# KiCad board 32X_VA2.kicad_pcb (continued)
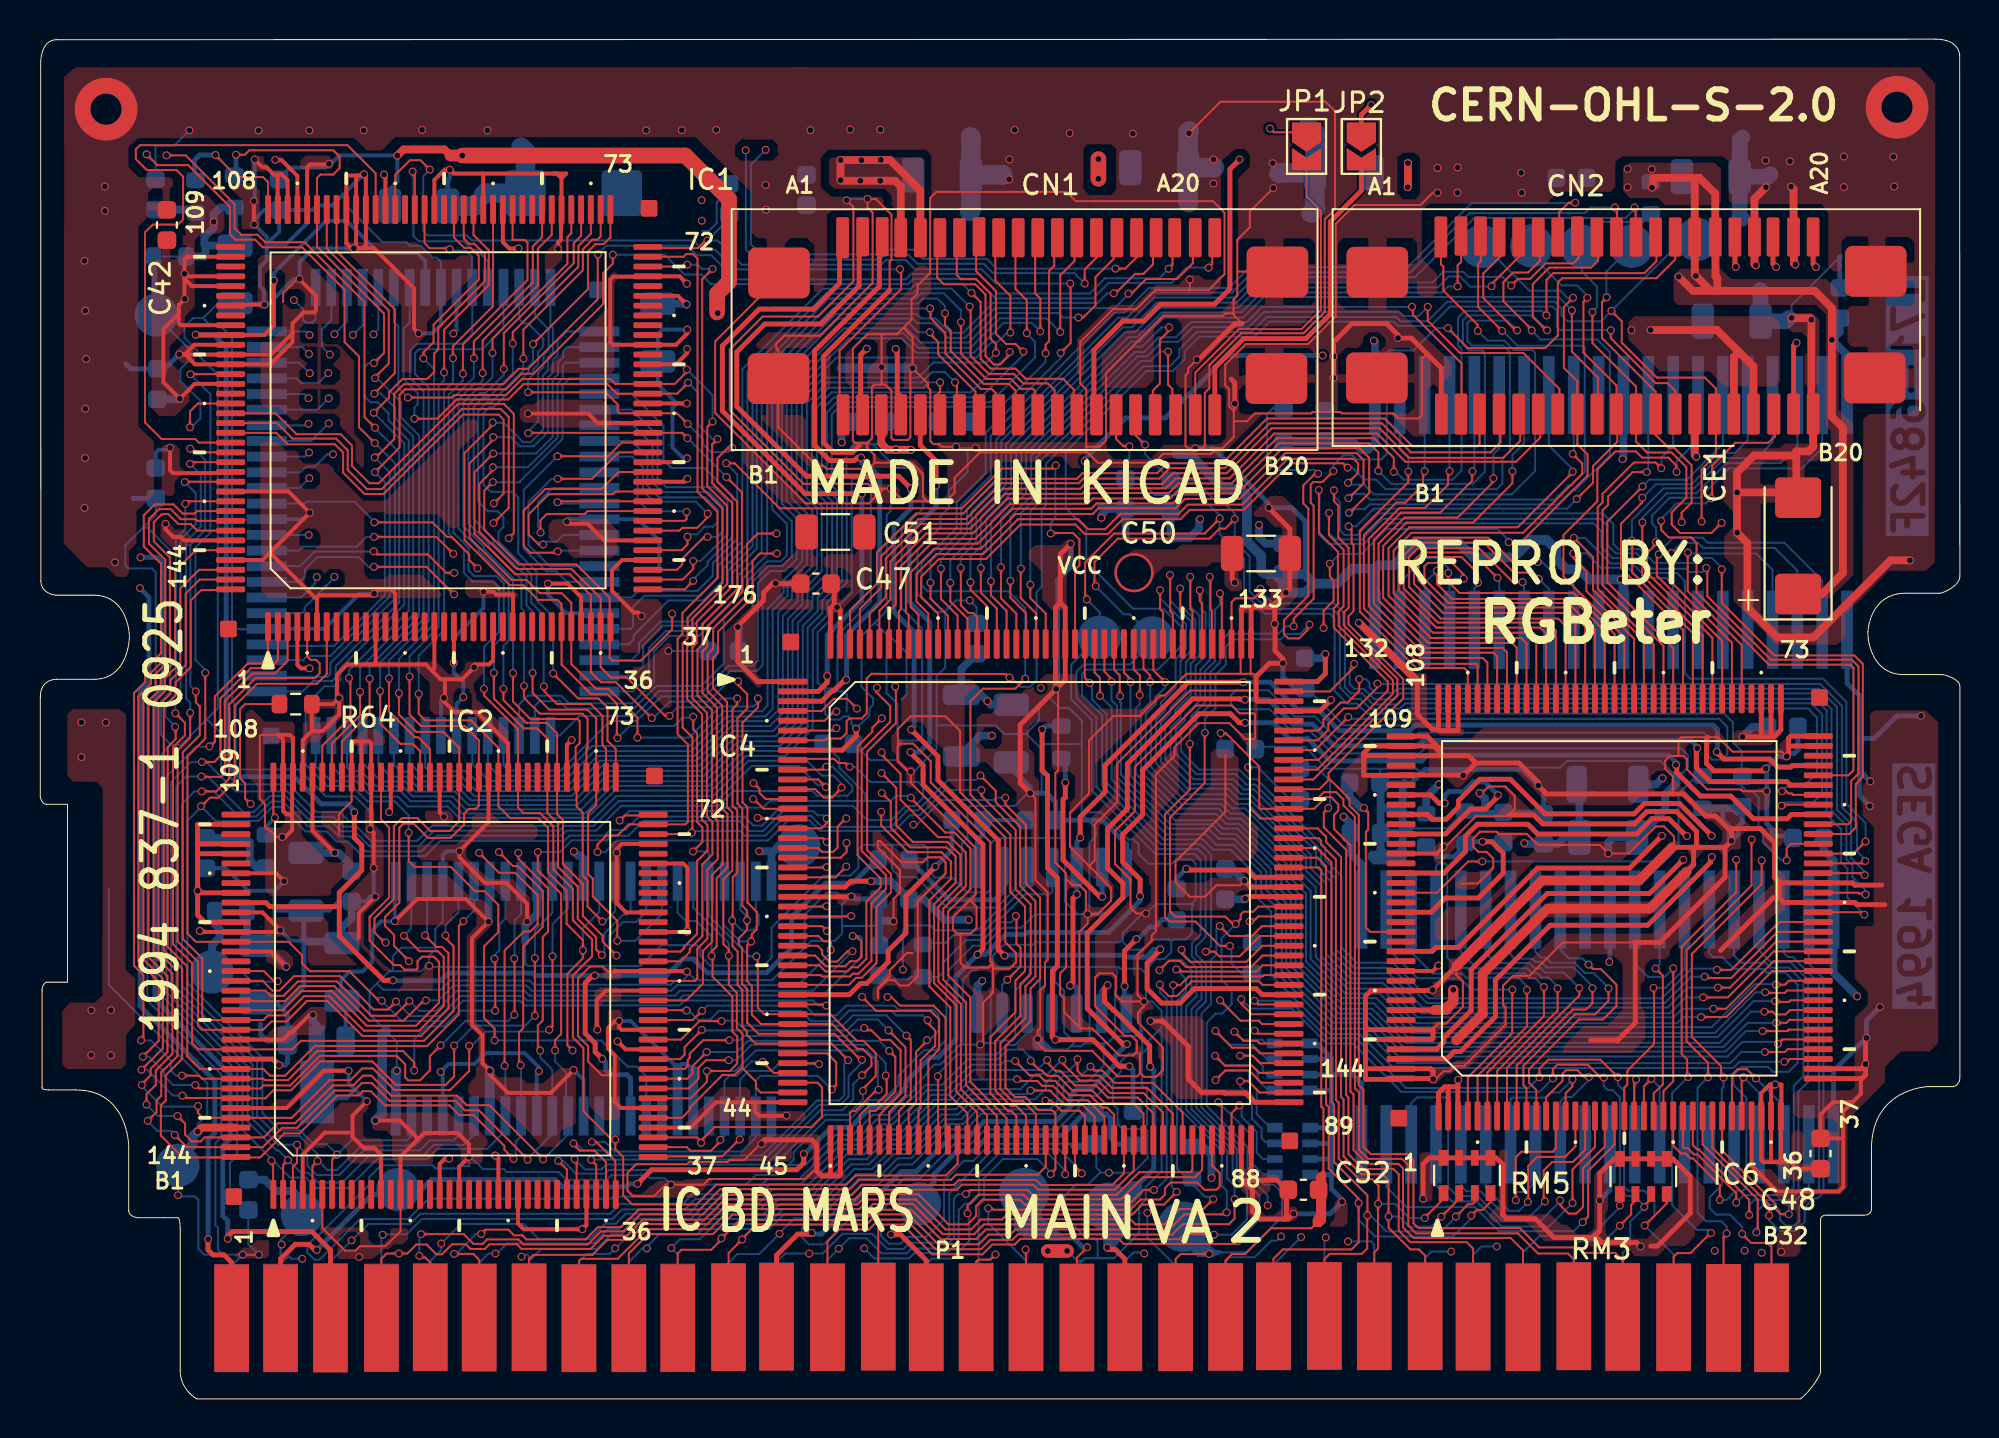
[diagram p0: board, top side]
## Copper pours and planes (outline as drawn; the poured copper is in the pictures) (continued)
GND on Top: 30.35,10.48 30.83,10.48 31.31,10.95 31.42,10.95 31.65,11.16 32.95,11.16 33.03,11.22 33.53,11.22 33.57,11.24 34.49,11.24 34.48,11.23 34,10.75 33.57,10.28 30.3,10.28 30.07,10.54 30.07,10.76
GND on Top: 19.82,30.07 19.72,29.96 19.72,29.67 20.12,29.29 20.87,29.29 21.18,29.62 21.18,29.79 20.95,30.06 20.94,30.07
GND on Top: 51.67,17.79 51.36,18.05 51.36,20.72 51.41,20.79 51.41,21.26 50.98,20.82 50.98,19.14 49.96,18.13 49.96,17.95 50.06,17.82 50.84,17.82 50.87,17.79
GND on Top: 71.29,28.2 71.56,28.48 72.21,28.48 72.43,28.7 72.43,28.69 72.43,28.21 71.64,27.38 71.42,27.38 71.29,27.49
GND on Top: 11.14,55.83 11.25,55.73 11.61,55.73 11.7,55.8 11.69,56.58 11.54,56.72 11.54,57.51 11.8,57.74 12.29,57.74 12.57,57.51 12.57,56.73 13.31,56.73 13.59,56.48 13.59,55.96 13.36,55.72 12.84,55.71 12.59,55.95 12.44,55.95 12.44,54.68 11.74,54.01 11.44,54.01 11.32,53.92 11.32,50.89 11.5,50.71 12.23,50.71 12.95,50.01 13.18,50.01 13.54,50.34 13.54,50.58 13.29,50.82 13.29,51.39 13.53,51.61 15.09,51.61 15.37,51.38 15.37,50.83 15.11,50.58 14.38,50.58 14.38,51.63 14.23,51.63 14.24,50.58 13.53,50.58 13.53,50.36 15.11,50.36 15.37,50.13 15.37,49.73 16.17,48.93 16.17,47.96 16.48,47.58 16.5,47.58 16.6,47.69 16.6,48.81 16.1,49.34 16.1,53.02 15.32,53.9 15.3,53.68 15.38,53.61 15.38,53.27 15.05,52.92 14.51,52.92 14.51,52.85 15.02,52.85 15.38,52.53 15.38,52.12 15.08,51.84 14.49,51.84 14.4,51.91 14.4,53.8 14.22,53.79 14.22,51.88 13.58,51.88 13.31,52.11 13.31,52.55 13.7,52.88 14.19,52.88 14.19,52.96 13.65,52.96 13.31,53.26 13.31,53.78 15.17,53.78 15.31,53.67 15.31,53.91 14.65,53.91 14.45,54.08 14.45,54.95 14.24,54.95 14.24,53.96 13.45,53.96 13.32,54.09 13.32,54.69 13.57,54.94 15.33,54.94 15.34,56.49 13.3,58.49 11.44,58.48 11.18,58.26 11.17,56.02 11.14,55.95
GND on Top: 22.27,29.86 23.18,29.86 23.71,29.39 25.22,29.39 25.48,29.19 25.49,28.8 25.29,28.57 22.18,28.57 21.84,28.26 21.84,27.69 22.97,26.58 24.2,26.58 24.62,26.13 25.11,25.61 25.11,24.4 24.98,24.24 24.1,24.24 23.87,24.47 23.87,25.41 23.11,26.21 22.45,26.21 21.26,27.41 21.16,27.51 19.54,27.52 19.32,27.74 19.32,28.14 19.52,28.33 21.31,28.33 22.11,29.19 22.11,29.71
GND on Top: 88.8,39.55 88.56,39.55 87.99,40.18 87.99,45.68 88.12,45.81 88.8,45.81 88.8,46.73 88.09,46.73 87.97,46.83 87.97,47.65 88.21,47.92 89.29,47.92 89.35,47.87 89.35,46.73 90.24,46.73 90.24,47.84 90.3,47.92 90.87,47.92 91.15,48.2 91.15,48.71 91.05,48.83 89.21,48.83 88.98,48.62 88.95,48.59 86.93,48.59 86.08,47.74 86.08,45.86 86.6,45.33 86.6,44.59 86.12,44.06 86.12,43.04 86.59,42.57 86.59,40.81 88.8,38.55
GND on Top: 1.44,34.98 1.7,35.25 4.1,35.25 4.44,34.99 4.42,21.92 4.91,21.5 4.91,19.12 4.45,18.62 4.43,17.12 4.21,16.86 1.41,16.86 1.18,17.09 1.18,19.79 1.56,20.26 2.85,20.26 3.23,20.63 3.25,31.19 2.94,31.54 1.74,31.55 1.44,31.85
GND on Top: 48.34,16.46 48.34,18.56 49.61,19.84 49.61,20.53 49.34,20.82 49.13,20.82 48.87,21.09 48.87,21.62 49.12,21.87 49.62,21.88 49.93,22.19 49.93,22.33 49.67,22.08 49.13,22.08 48.63,22.59 48.62,22.59 48.62,22.32 48.47,22.15 47.66,22.15 47.4,22.4 47.4,23.57 47.7,23.86 46.96,23.86 46.72,24.13 46.7,24.13 46.7,23.96 46.75,23.91 46.75,21.75 47.89,20.61 47.96,20.82 47.56,21.21 47.56,21.74 47.69,21.87 48.48,21.87 48.65,21.73 48.65,21.08 48.41,20.84 47.93,20.84 47.89,20.65 47.89,16.57 48.11,16.32 48.28,16.32
GND on Top: 64.63,58.01 70.28,58.01 70.42,58.14 70.42,59.11 70.67,59.11 70.67,58.28 71.44,57.51 71.44,56.54 71.23,56.33 70.66,56.33 70.42,56.53 70.42,57.06 70.36,57.11 64.64,57.11
GND on Top: 88.64,27.84 88.08,28.36 88.08,28.86 87.77,29.13 87.77,29.18 89.05,29.18 89.24,29.01 89.24,28.52 88.72,28.02 88.72,27.84
GND on Top: 28.11,17.23 28.11,14.97 28.65,14.42 28.83,14.24 29.51,14.24 29.7,14.43 29.69,15.8 29.68,17.33 29.4,17.6 29.34,17.6 29.34,16.96 29.19,16.82 28.48,16.82
GND on Top: 11.1,59.78 11.29,59.97 11.28,61.77 10.9,62.15 9.69,62.15 9.69,61.97 10.34,61.32 10.33,59.9 10.42,59.78
GND on Top: 15.59,59.12 15.59,58.77 18.51,55.89 18.51,52.47 19.07,52.47 19.07,53.65 19.83,54.43 19.83,55.05 22.14,57.39 22.14,58.33 22.03,58.45 21.49,58.45 21.25,58.23 20.18,58.23 19.29,59.11
GND on Top: 52.36,40.3 52.52,40.45 52.52,42.56 52.89,43 52.89,43.75 52.78,43.91 52.5,43.91 52.25,43.64 50.91,43.64 50.57,43.33 50.57,42.95 51.26,42.27 51.26,40.86 51.75,40.34 51.79,40.3
GND on Top: 26.52,59.25 25.85,58.58 25.85,57.58 25.89,57.53 26.02,57.53 26.73,58.22 26.73,59.25
GND on Top: 10.11,7.44 10.44,7.73 10.69,7.73 11.15,8.11 11.7,8.11 11.75,8.04 11.75,7.33 11.62,7.19 10.16,7.19 10.06,7.27 10.06,7.4
GND on Top: 61.35,33.84 61.94,33.19 62.17,33.19 62.29,33.31 62.29,36.9 62.57,37.19 62.45,37.31 62.22,37.09 61.69,37.09 62.07,36.79 62.07,34.09 61.99,34.03 61.38,34.03 61.35,34
GND on Top: 43.86,25.75 43.86,24.01 43.29,23.34 43.17,23.34 43.08,23.44 43.08,25
GND on Top: 63.55,43.98 63.55,44.44 63.44,44.55 63.17,44.55 62.62,45.08 62.16,45.08 62.06,45.2 62.06,45.29 62.91,46.15 63.56,46.15 64.26,45.48 64.26,43.98
GND on Top: 66.4,10.23 66.62,10.23 66.88,9.98 66.88,9.01 66.67,8.8 66,8.8 65.97,8.84 65.97,8.96 66.21,9.2 66.21,10.03
GND on Top: 16.87,30.26 16.66,30.08 16.66,28.73 16.92,28.47 16.92,26.97 15.78,25.76 15.78,23.8 17.64,21.88 17.83,21.88 17.9,21.82 18.27,21.82 18.59,21.52 18.59,21.16 18.34,20.89 17.59,20.89 14.79,23.62 14.79,24.35 14.54,24.63 11.52,24.63 11.52,23.74 11.63,23.63 13.19,23.63 13.72,23.11 13.71,22.39 13.96,22.15 16.3,22.15 17.67,20.8 18.43,20.8 18.49,20.86 20.01,20.86 20.14,20.98 20.14,22.21 20.06,22.33 19.79,22.33 19.69,22.21 19.69,21.87 19.44,21.59 18.6,21.59 18.28,21.89 18.02,21.89 17.76,22.14 17.68,22.14 16.6,23.23 16.6,24.8 17.61,25.75 17.61,28.88 17.14,29.37 17.14,30.16 17.04,30.26
GND on Top: 44.07,34.45 44.07,35.78 44.35,36.06 44.35,36.52 44.6,36.78 47.66,36.78 47.86,36.65 47.86,36.4 47.3,35.85 47.3,30.79 46.35,31.72 46.35,33.05 45.37,34.03 45.37,34.27 45.1,34.59 44.25,34.59 44.08,34.44
GND on Top: 88.77,27.16 89.23,26.73 89.23,25.04 89,24.79 88.71,24.79 86.43,22.49 85.27,22.49 85.07,22.67 85.07,22.81 88.62,26.34 88.62,27.16
GND on Top: 71.05,16.95 72.05,16.95 72.41,17.3 72.79,17.3 74.83,19.3 74.83,20.31 75.02,20.13 75.02,18.94 72.98,16.86 72.43,16.86 72.16,16.6 71.92,16.6 71.39,16.11 71.12,16.11 70.95,16.26 70.95,16.41 71.03,16.48 71.03,16.93
GND on Top: 53.22,52.27 53.42,52.43 53.42,53.85 55.07,55.52 56.25,55.52 57.11,56.4 59.91,56.4 60.41,56.88 60.41,57.26 60.53,57.38 60.53,57.45 60.51,57.43 60.34,57.43 60.11,57.2 59.57,57.2 59.29,57.44 58.72,57.44 58.24,56.95 57.07,56.95 56.04,55.92 54.8,55.92 53.04,54.17 53.04,52.41 53.2,52.27
GND on Top: 37.01,50.29 36.89,50.2 36.89,50.1 39.4,47.59 40.24,47.59 39.19,48.58 39.19,50.03 38.95,50.29
GND on Top: 47.87,25.98 46.7,24.83 46.7,24.6 47.02,24.91 47.62,24.91 47.88,24.64
GND on Top: 72.74,21.42 72.68,21.37 72.04,21.37 71.73,21.1 71.73,20.59 71.69,20.54 71.29,20.54 71.01,20.77 71.01,20.98 71.21,21.15 71.21,21.25 71.34,21.36 71.66,21.36 72.04,21.74 72.04,22.37 72.2,22.52 72.7,22.52 72.74,22.49
GND on Top: 74.29,29.8 74.34,29.87 74.46,29.87 75.12,30.53 75.12,30.92 74.76,31.29 74.76,31.3 75.03,31.3 76.49,29.85 76.49,29.77 74.29,29.77
GND on Top: 29.4,52.58 29.41,57.02 29.56,57.26 29.56,57.49 29.46,57.58 29.32,57.58 29.09,57.36 29.09,55.8 26.1,52.82 26.1,52.44 29.26,52.44
GND on Top: 74.61,9.97 74.62,12.63 74.72,12.74 74.89,12.74 75.05,12.62 75.05,9.43
GND on Top: 71.15,33.76 71.39,33.53 72.96,33.53 73.81,34.32 85.62,34.32 86.17,33.77 86.17,33.6 86.02,33.5 85.48,33.5 85.37,33.4 85.2,33.4 85.1,33.5 84.36,33.5 84.17,33.35 84.17,32.9 84.21,32.83 84.21,32.7 84.19,32.7 84.06,32.83 83.35,32.83 83.13,32.62 83.13,32.1 82.7,32.1 82.38,31.85 82.38,31.3 82.66,31.01 82.66,30.88 81.95,30.88 81.39,30.34 77.17,30.34 75.43,32.12 73.51,32.13 72.63,31.24 72.42,31.24 71.82,31.82 71.03,31.82 71.03,33.76
GND on Top: 45.53,27.67 44.27,27.67 43.01,28.91 43.01,28.97 42.94,29.02 42.7,29.02 42.6,28.94 42.6,28.19 43.05,27.77 43.05,27.7 43.82,26.98 43.82,25.71 43.84,25.71 45.02,26.91 45.02,27.21 45.53,27.67
GND on Top: 4.57,63.99 5.07,64.44 16.1,64.44 16.75,63.81 17.51,63.81 18.2,64.49 33.54,64.49 36.4,61.68 39.94,61.68 39.94,65.71 39.76,65.71 37.5,63.29 35.83,63.29 35.57,63.57 35.57,64.06 39.38,67.77 39.37,68.06 1.85,68.06 1.28,67.58 1.28,64
GND on Top: 58.08,27.48 58.08,29.56 59.88,31.37 59.88,33 60.12,33.22 60.82,33.22 61.31,32.75 61.31,30.16 62.29,29.2 62.29,27.98 61.84,27.5 58.13,27.5 58.1,27.48
GND on Top: 86.88,31.13 87.91,30.07 88.26,30.07 88.48,30.29 88.48,31.05 88.33,31.22 87.87,31.22 87.78,31.14 86.88,31.14
GND on Top: 89.45,33.95 88.96,33.47 88.96,33.26 88.6,33.08 89.08,32.63 89.37,32.63 89.53,32.8 89.53,33.95
GND on Top: 36.4,59.61 36.71,59.33 37.11,59.33 37.19,59.26 37.19,58.32 38.1,58.32 38.1,59.04 38.4,59.33 39.24,59.33 39.62,58.96 39.62,58.24 39.21,57.89 39.21,57.08 39.49,57.08 39.6,56.97 39.6,56.64 39.66,56.57 39.81,56.57 40.27,57.03 40.27,60.52 40.52,60.73 43.35,60.73 43.15,60.97 43.15,61.3 43,61.44 40.48,61.44 39.75,62.14 36.61,62.14 36.4,61.93
GND on Top: 4.59,42.19 4.44,42.01 3.96,42.01 3.45,42.51 2.46,42.51 1.26,43.72 1.27,49.61 1.28,67.58 4.57,67.57 4.57,62.95 5.09,62.45 6.66,62.45 6.82,62.33 6.85,62.3 6.85,61.98 6.68,61.87 6.68,61.17 6.32,61.17 6.32,61.8 6.26,61.87 5.81,61.87 5.57,61.64 5.57,61.2 5.67,61.13 6.17,61.13 6.17,60.73 5.56,60.73 5.52,60.69 5.52,60.36 5.15,60.01 5.08,59.94 5.08,49.7 5.87,48.93 5.87,46.23 5.03,45.41 4.97,45.35 4.97,43.72 4.59,43.34
GND on Top: 32.34,38.57 32.34,35.45 32.2,35.31 32.01,35.31 30.5,36.85 30.53,36.85 30.33,37.01 30.33,37.34 30.41,37.42 30.85,37.42 32.1,38.65 32.24,38.65
GND on Top: 61.42,40.16 61.27,40.28 61.27,40.49 61.41,40.62 62.53,40.62 62.93,41.03 62.93,41.47 62.7,41.66 62.7,41.91 62.79,41.98 63.49,41.98 63.57,42.08 63.57,42.58 64.33,42.58 64.33,41.05 63.86,40.53 63.76,40.53 63.31,40.09 63.31,38.86 63.72,38.46 64.96,38.46 65.08,38.35 65.08,37.42 64.84,37.17 62.62,37.17 62.41,37.38 62.41,40.09 62.28,40.28 62.04,40.28 61.88,40.16
GND on Top: 24.32,40.9 24.49,41.04 24.49,41.13 24.29,41.3 23.79,41.3 23.25,41.87 21.87,41.87 21.77,41.77 21.77,41.18 22,40.93 24.06,40.93 24.1,40.9
GND on Bottom: 40.97,8.75 42.44,10.24 43.22,10.24 43.53,10.59 43.53,9.18 43.17,8.71 43.17,8.22 42.64,8.75
GND on Bottom: 53.73,7.06 54.16,7.22 54.42,7.22 54.19,7.48 54.14,7.53 54.1,7.53 53.93,7.32 53.24,7.32 52.79,7.77 51.51,7.77 51.34,7.64 51.34,7.38 51.7,7 51.75,6.97 52.35,6.97 52.43,6.85 53.73,6.85
GND on Bottom: 47.16,27.73 46.23,26.75 45.75,26.75 46.59,25.89 47.44,25.89 47.28,26.03 47.28,28.51
GND on Bottom: 46.23,18.24 46.23,19.83 45.93,20.14 44.48,20.14 44.25,20.41 44.25,20.5 44.34,20.6 45.42,20.6 46.46,21.62 46.49,21.62 46.49,18.45
GND on Bottom: 77.74,43.34 77.74,44.24 77.56,44.43 75.92,44.43 75.65,44.22 75.65,43.59 77.14,43.59 77.45,43.34
GND on Bottom: 26.92,45.09 26.66,45.32 26.25,45.32 26.06,45.21 26.06,44.3 26.18,44.18 26.37,44.18 26.7,44.5 26.7,44.51 27.07,44.84 27.07,44.94
GND on Bottom: 38.56,12.54 37.5,11.5 38.64,11.5 39.09,11.94 38.74,11.94 38.6,12.13 38.6,12.49
GND on Bottom: 91.56,14.92 91.57,19.5 91.78,19.7 93.17,19.7 93.53,20 93.53,20.98 92.75,21.75 92.75,23.91 92.89,24.03 93.68,24.03 94.02,24.34 94.02,29.49 92.77,30.7 92.77,35.79 92.25,36.32 92.25,37.39 92.5,37.39 92.5,36.72 93.99,35.36 96.07,35.36 96.57,35.2 96.88,34.93 97,34.61 97.05,18.43 96.61,17.97 95.25,17.97 93.24,15.96 92.18,15.97 91.81,15.55 91.8,14.93
GND on Bottom: 69.49,42.14 70.66,43.24 71.82,43.24 72.07,43 72.35,43 72.84,42.54 75.32,42.54 76.41,43.59 75.63,43.59 75.51,43.45 74.83,43.45 74.53,43.71 74.53,43.94 74.28,44.19 69.03,44.19 67.73,42.9 67,42.9 66.27,42.13 65.81,42.13 65.39,42.51 65.39,43.59 65.14,43.88 65.14,45.71 64.63,46.17 64,46.17 62.3,47.8 62.3,50.92 62.98,51.61 65.35,51.61 65.46,51.53 65.46,50.73 65.91,50.73 65.91,51.47 66.01,51.58 66.43,51.58 66.58,51.45 66.58,50.95 66.5,50.89 66,50.89 66,50.39 66.51,50.39 66.61,50.3 66.61,50.08 66.84,49.83 67.13,49.83 67.4,50.06 67.4,54.11 67.93,54.63 68.46,54.63 68.75,54.37 68.75,54.01 68.87,53.89 69.46,53.89 69.67,54.08 69.67,54.47 69.62,54.52 69.37,54.52 69.07,54.8 63.19,54.8 62.35,53.99 59.6,53.99 58.84,53.28 58.84,53.02 58.07,52.25 56.72,52.25 52.82,48.31 52.82,45.74 54.86,43.73 55.37,43.73 54.71,44.7 54.71,45.05 54.78,45.15 55.15,45.15 55.15,45.59 54.94,45.59 54.66,45.87 54.66,48 55.16,48.55 55.16,48.99 55.47,49.29 56.87,49.29 58.07,48.09 58.68,48.09 60.48,46.29 61.37,46.29 61.53,46.15 61.53,45.09 61.93,45.09 62.06,45.23 62.67,45.23 63.19,44.75 64.06,44.75 64.48,44.32 64.48,40.96 67.15,40.96 67.41,41.21 67.41,41.73 67.92,42.14
GND on Bottom: 53.28,68.07 59.91,68.07 59.91,64.21 53.28,64.21
GND on Bottom: 6.28,34 6.51,33.79 7.29,33.79 8.35,34.84 8.35,35.61 8.61,35.87 8.61,36.38 9.09,36.88 9.13,36.88 9.12,35.31 9.29,35.13 9.29,33.69 9.11,33.88 7.99,33.88 6.28,32.26
GND on Bottom: 26.79,40.01 26.58,40.2 26.41,40.2 25.69,40.92 25.69,41.99 26.35,41.99 26.65,41.71 26.65,40.81 27.14,40.31 27.63,40.31 27.63,40.01
GND on Bottom: 12.43,17.9 11.53,17.9 10.68,18.65 10.68,19.66 11.68,19.65 11.68,18.88 11.93,18.61 12.42,18.61
GND on Bottom: 69.28,31.6 69.46,31.71 69.46,32.13 69.4,32.19 69.4,32.21 70.73,32.21 70.96,32.43 77.91,32.43 77.72,32.24 77.72,31.21 77.58,31.03 77.28,31.03 77.15,30.92 77.14,30.23 76.68,30.23 76.68,30.87 76.57,31.01 75.42,31.01 74.94,31.51 74.64,31.51 74.16,32.06 73.19,32.06 72.72,31.54 72.37,31.54 71.86,32.07 71.33,32.07 69.84,30.55 69.54,30.55 69.54,31.17 69.28,31.41
GND on Bottom: 59.11,25.65 58.73,25.31 58.89,25.16 58.89,23.93 58.43,23.48 58.76,23.48 59.11,23.86
GND on Bottom: 47.21,18.6 47.45,18.34 48.5,18.34 48.62,18.46 48.71,18.34 48.93,18.34 48.98,18.37 49.8,18.37 49.74,18.31 49.03,18.31 48.62,17.92 46.88,17.91 47.21,18.26
GND on Bottom: 68.46,15.64 68.67,15.87 68.67,16.15 67.05,17.84 65.57,17.84 65.57,15.53 65.24,15.2 62.85,15.2 62.69,15 62.69,14.67 62.89,14.46 65.4,14.46 65.66,14.1 65.66,11.19 65.3,10.78 64.03,10.78 63.88,10.65 63.88,9.19 64.02,9.07 66.88,9.07 67,9.15 67,10.36 66.75,10.66 66.75,15.52 66.88,15.64
GND on Bottom: 56.18,27.86 56.18,27.52 56.24,27.44 56.24,26.83 56.86,26.18 56.86,25.53 54.89,23.47 50.68,23.47 50.43,23.21 55.55,23.21 55.55,23.81 56.34,24.6 56.87,24.6 57.15,24.82 57.16,25.2 57.23,25.27 57.23,25.31 57.17,25.38 57.17,26.66 58.1,27.54 56.97,27.54 56.74,27.38 56.66,27.38
GND on Bottom: 20.52,15.43 20.52,16.32 20.39,16.56 20.06,16.56 19.82,16.78 19.82,17.21 20.07,17.48 22.29,17.48 22.63,17.77 23.89,17.77 24.17,18.03 24.82,18.03 25.06,17.8 25.06,17.51 25.81,16.8 25.81,16.53 25.56,16.32 25.56,15.34 25.31,15.34 25.31,16.36 25.15,16.6 25.15,17.23 24.81,17.57 22.94,17.57 22.05,16.56 20.89,16.56 20.76,16.4 20.76,15.43
GND on Bottom: 35.44,64.06 35.83,64.41 37.41,64.41 37.71,64.17 37.71,63.61 36.73,62.55 36.74,59.36 36.74,59.28 37.19,58.84 42.39,58.84 42.64,59.08 44.91,59.08 45.37,58.61 48.62,58.62 49.16,58.14 54.14,58.15 54.39,58.38 55.31,58.38 55.54,58.15 55.54,57.86 55.74,57.65 56.9,57.65 57.12,57.83 57.12,58.11 57.43,58.4 58.08,58.4 58.31,58.16 59.25,58.16 59.5,58.4 60.07,58.4 60.35,58.15 60.35,57.53 60.06,57.24 59.6,57.24 59.32,57.5 58.72,57.5 58.61,57.4 58.61,57.22 58.7,57.12 60.59,57.12 61.65,58.17 61.68,58.2 69.77,58.2 73,61.5 76.26,61.5 76.42,61.66 76.42,62.25 77.41,62.25 77.41,62.62 76.41,62.62 76.41,63.26 76.75,63.54 77.23,63.54 77.23,62.77 77.59,62.77 77.77,67.96 71.03,68.06 71.03,61.91 70.2,61 64.61,61 63.93,61.56 63.93,68.06 61.05,68.07 60.98,63.97 61.58,63.97 61.86,63.69 61.86,63.11 61.64,62.84 61.02,62.84 60.75,63.11 60.75,63.71 61.02,63.93 64.17,68.06 59.81,68.06 59.78,61.8 59.56,61.55 59.48,61.47 53.59,61.47 53.27,61.87 53.27,63.9 53.6,64.23 47.97,64.23 47.97,64.03 48.47,64.03 48.92,63.66 48.92,61.87 48.91,61.45 48.6,61.21 43.21,61.21 42.95,61.45 41.21,61.45 41.09,61.34 41.09,60.53 40.51,59.92 38.37,59.92 38.09,60.22 38.09,62.37 38.18,62.47 39,62.47 39,62.87 38.39,62.87 38.34,62.94 38.34,63.8 38.45,63.89 38.94,63.89 38.99,63.86 38.99,62.92 39.36,62.92 39.36,63.83 39.57,64 53.26,64 53.28,68.07 35.53,68.05 35.13,64.7 35.43,64.06
GND on Bottom: 48.66,28.47 48.66,28.59 48.89,28.8 52.07,28.81 52.24,28.97 52.43,28.67 52.43,28.45 52.42,28.45 52.34,28.53 51.91,28.53 51.83,28.48 50.05,28.48 49.91,28.31 49.86,28.31 49.7,28.47
GND on Bottom: 11.89,20.41 12.27,20.41 12.69,20.81 12.69,21.32 13.23,21.85 13.23,22.33 12.46,23.17 12.46,23.69 11.71,24.41 11.71,25.44 11.41,25.75 9.76,25.75 9.42,26.11 9.42,26.75 9.26,26.94 8.93,26.94 8.93,27.34 9.25,27.34 9.44,27.55 9.44,27.93 9.66,28.12 10.17,28.13 10.36,27.97 10.36,26.99 11.15,26.23 12.02,26.23 12.44,26.63 12.85,26.63 13.03,26.44 13.03,26.22 12.84,26.02 12.59,26.02 12.32,25.74 12.32,25.44 12.42,25.34 12.99,25.34 12.99,24.5 12.56,24.5 12.44,24.41 12.44,24.26 12.85,23.87 13.21,23.87 13.29,23.96 13.29,24.54 14.24,25.31 14.67,25.31 15.04,25.6 16.6,25.6 16.82,25.81 16.83,27.19 17.01,27.42 17.45,27.42 17.65,27.23 17.65,25.82 17.47,25.57 17.44,25.54 17.07,25.54 16.68,25.16 15.67,25.17 15.67,25.06 15.43,25.06 14.95,24.55 14.14,24.55 14.14,24 14.21,23.92 14.25,23.88 14.75,23.88 14.76,23.08 14.28,23.08 14.04,22.88 14.04,20.72 12.99,19.78 12.99,19.03 12.51,19.05 12.51,19.33 11.92,19.9 11.89,19.9
GND on Bottom: 87.77,7.62 87.93,7.81 89.13,7.81 89.31,7.67 89.31,6.81 87.77,6.81
GND on Bottom: 57.37,17.43 57.37,19.08 57.35,19.08 57.14,18.86 56.56,18.86 56.28,19.19 56.28,18.75 56.01,18.51 56.15,18.39 56.15,18.02 55.69,17.65 56.15,17.65 56.36,17.42 56.38,17.42 56.6,17.66 57.17,17.66 57.36,17.43
GND on Bottom: 32.23,44.96 32.44,44.79 32.44,43.94 32.82,43.55 32.82,41.91 32.57,41.64 30.62,41.64 30.48,41.76 30.44,41.79 30.44,44.71 30.19,44.96
GND on Bottom: 47.76,21.93 47.98,22.14 48.26,22.14 48.96,22.81 48.96,22.43 49.21,22.17 51.01,22.17 51.16,22.29 54.17,22.29 55.2,22.3 55.37,22.16 56.75,22.16 56.8,22.12 56.8,21.07 57,20.88 57,20.42 57.32,20.13 57.32,19.88 57.25,19.94 56.61,19.94 56.3,19.64 56.28,19.64 56.28,21.35 55.85,21.71 55.29,21.71 55.12,21.48 55.1,21.48 54.97,21.67 54.29,21.67 53.7,21.1 53.11,21.73 52.56,21.73 52.27,21.43 52.27,21.02 52.09,21.19 51.45,21.19 51.17,20.91 51.14,20.91 50.89,21.18 50.22,21.18 50.05,21.02 50.05,21.68 49.78,21.97 49.01,21.97 48.78,21.72 48.74,21.72 48.54,21.94 48.19,21.94 48.09,21.87 47.76,21.87
GND on Bottom: 43.71,33.43 43.71,32.9 43.42,32.64 43.71,32.41 43.71,32.13 43.89,31.94 45,31.94 45.25,31.75 45.65,31.75 45.87,31.93 45.87,33.23 45.22,32.61 44.36,32.61 44.07,32.91 44.07,33.47
GND on Bottom: 43.18,49.56 43.18,49.34 42.85,49.04 41.81,49.04 41.16,48.38 41.03,48.38 40.79,48.15 40.79,47.19 41.53,46.44 41.53,46.68 41.79,46.93 42.28,46.93 42.51,46.68 42.51,47 42.36,47.13 41.77,47.13 41.46,47.43 41.46,48.4 41.75,48.69 42.33,48.69 42.59,48.46 42.59,48.07 43.32,47.32 43.32,44.93 44.01,45.63 44.01,46.91 44.31,47.2 44.82,47.2 45.07,46.98 45.07,45.42 45.29,45.65 45.29,46.94 45.59,47.2 46.12,47.2 46.4,46.96 46.4,45.62 44.89,44.08 44.89,42.92 46.57,44.64 46.57,45.95 48.08,47.45 48.08,48.76 48,48.89 47.78,48.89 47.7,48.97 47.7,49.57 47.29,49.57 47.29,48.99 47.23,48.92 45.76,48.92 45.47,48.66 45.47,48.42 45.14,48.08 43.61,48.08 43.22,48.43 43.22,48.91 43.53,49.23 43.53,49.56
GND on Bottom: 9.17,6.87 8.98,7.1 8.31,7.1 8.16,7.19 8.16,7.8 8.36,7.61 8.9,7.61 9.13,7.82 9.39,7.6 9.89,7.6 10.25,7.92 10.25,8.43 10.5,8.63 10.5,9.23 10.86,9.22 10.87,8.66 10.92,8.62 11.13,8.62 11.62,8.12 11.62,7.31 11.22,7.04 10.7,7.04 10.5,6.83 9.22,6.83
GND on Bottom: 32.29,63.53 33.92,61.8 34.56,61.8 34.56,61.95 34.99,61.95 34.99,62.26 34.57,62.26 34.57,62.77 35.12,62.77 35.12,62.38 35.49,62.38 35.48,62.77 35.48,63.5
GND on Bottom: 29.96,22.14 30.21,22.34 30.21,22.64 31.91,24.32 32.5,24.32 32.68,24.18 32.68,23.64 32.98,23.37 33.69,23.37 33.96,23.15 33.96,22.48 33.76,22.68 33.76,22.76 33.57,22.91 32.73,22.91 32.65,22.84 32.65,22.76 32,22.13 29.96,22.13
GND on Bottom: 21.96,62.06 21.96,59.87 22.32,59.53 33.61,59.53 33.85,59.68 33.07,59.68 32.61,60.14 31.41,60.14 30.89,59.66 23.69,59.66 23.11,60.19 23.11,62.06
GND on Bottom: 38.73,8.92 38.38,8.58 38.38,8.27 38.17,8.02 38.17,7.78 38.23,7.73 38.86,7.73 39.14,8.03 39.15,8.08 39.12,8.12 39.12,8.71 39.32,8.92
GND on Bottom: 17.41,11.91 17.55,12.05 20.57,12.05 20.78,11.89 21.34,11.89 21.7,12.21 21.7,12.43 21.86,12.56 22.54,12.56 22.74,12.34 22.74,12.23 23.03,11.93 23.72,11.93 24.11,11.59 24.11,11.59 23.47,11.59 23.43,11.63 19.38,11.63 19.17,11.93 17.49,11.93 17.46,11.9
GND on Bottom: 43.31,40.53 41.83,39.01 41.83,36.68 41.62,36.42 41.06,36.42 40.8,36.66 40.59,36.42 40.19,36.42 39.79,36.77 39.79,34.2 40.26,34.2 40.26,34.64 40.47,34.73 40.46,34.74 40.29,35.01 40.29,35.4 40.5,35.6 41,35.6 41.19,35.44 41.19,35.05 41.02,34.88 41.05,34.88 41.31,34.68 41.53,34.92 41.33,35.12 41.33,35.74 41.54,35.96 42.06,35.96 42.38,35.71 42.38,35.18 42.09,34.89 41.34,34.89 41.34,34.17 41.41,34.11 41.41,33.53 41.94,33.53 41.94,34.09 42.19,34.09 42.31,33.97 42.31,33.69 41.78,33.69 41.78,33.35 42.26,33.35 42.3,33.31 42.3,32.85 42.55,32.65 42.55,33.41 42.78,33.66 43.44,33.66 43.71,33.43 44.08,33.43 44.42,33.66 44.14,33.9 44.14,34.63 44.33,34.83 44.33,36.31 44.21,36.18 43.52,36.18 43.33,36.35 43.11,36.02 43.1,35.47 43.37,35.47 43.65,35.2 43.65,34.65 43.39,34.38 42.83,34.38 42.53,34.64 42.53,35.19 42.8,35.47 43.1,35.47 43.05,36.01 42.56,36.01 42.27,36.29 42.27,36.8 42.57,37.11 43.2,37.11 43.31,36.86 43.45,37.09 44.19,37.09 44.33,36.95 44.33,39.05 43.32,40.08 43.32,40.53
GND on Bottom: 40.6,25.68 40.84,25.51 40.84,24.96 40.56,24.69 40.56,24.49 40.85,24.22 40.85,23.75 40.54,23.42 40.54,23.41 40.75,23.41 41.07,23.73 41.07,23.95 41.34,24.17 41.34,24.19 41.06,24.47 41.06,24.97 41.37,25.26 42.56,25.26 42.56,25.7 41.88,25.7 41.68,25.97 40.34,25.97 40.05,25.68
GND on Bottom: 9.14,56.1 8.96,56.1 8.4,55.61 7.9,55.61 7.43,55.13 7.43,54.64 7.44,54.64 7.66,54.86 9.08,54.86 9.29,54.68 9.4,54.68 9.86,54.22 9.95,54.44 9.95,54.81 10.19,55.04 10.38,55.43 9.73,55.43 9.67,55.15 9.55,54.97 9.03,54.97 8.86,55.11 8.86,55.45 9.14,55.7
GND on Bottom: 19.45,30 19.24,29.78 19.24,29.49 19.49,29.25 19.54,29.25 19.88,29.59 20.71,29.59 20.81,29.69 20.81,29.91 20.72,30
GND on Bottom: 37.29,22.42 37.29,22.96 37.09,23.19 37.09,24.35 37.29,24.66 38.02,24.66 38.02,23.14 37.31,22.42
GND on Bottom: 41.51,41.48 40.85,40.81 40.68,40.81 40.55,40.7 40.55,39.92 41.19,40.53 41.19,40.64 41.53,40.98 41.53,41.48
GND on Bottom: 13.57,39.35 13.93,39.69 13.93,40.34 14.79,41.16 15.19,41.16 15.74,41.75 15.74,42.21 15.95,42.45 16.31,42.45 16.79,42 17.06,42 17.3,41.8 17.3,41.15 16.45,40.33 15.11,39 14.97,38.88 14.91,38.84 13.89,38.84
GND on Bottom: 52.38,17.88 52.82,18.35 53.31,18.35 53.67,18.73 53.68,18.73 53.95,18.42 54.7,18.42 54.97,18.62 54.99,18.62 55.19,18.51 55.25,18.5 54.59,17.9 54.59,17.23 54.41,17.03 54.41,17.39 54.18,17.65 53.63,17.65 53.41,17.86 52.38,17.86
GND on Bottom: 43.17,24.71 43.08,25.17 42.77,25.17 42.68,24.72 42.46,24.72 41.94,24.2 41.94,24.18 41.95,24.17 42.52,24.17 42.72,24.02 43.09,24.02 43.23,24.1 43.85,24.1 43.96,24.19 43.96,24.59 43.78,24.71
GND on Bottom: 62.51,33.43 63.19,33.43 63.24,33.51 63.24,33.58 62.84,33.99 62.46,33.99 62.42,33.97 62.42,33.59 62.16,33.59 62.16,33.91 62.11,34 60.97,34 60.8,34.14 60.8,34.59 60.67,34.73 60.67,36.9 61.17,37.42 61.17,37.91 61.54,38.3 63.36,38.3 63.78,37.95 63.78,36.99 64.32,36.54 64.32,36.1 64.1,36.1 62.86,37.29 61.53,37.29 61.15,36.93 61.15,36.53 61.41,36.29 61.41,36.25 61.15,36.01 61.15,35.49 61.42,35.25 61.42,35.23 61.15,34.97 61.15,34.51 61.46,34.21 62.99,34.21 63.84,33.36 63.84,33.33 63.75,33.33 63.53,33.14 63.53,32.5 63.46,32.39 63.33,32.39 63.24,32.46 63.23,32.96 63.18,33 62.51,33